# Altium PCB 3-as-manufactured.PcbDoc (part 9 of 16)
Units mil, origin at the board's own origin, x right, y up, seen from the top; angles counter-clockwise.
Board outline 4130.55 x 4250 mil, 8 copper layers (L1_TOP, L2_GND, L3_INT, L4_PWR, L5_PWR, L6_INT, L7_GND, L8_BOT), stack 61 mil thick; 584 components, 489 nets, 2229 pads, 1894 vias.
Unrouted connection lines stored in the file: 4.
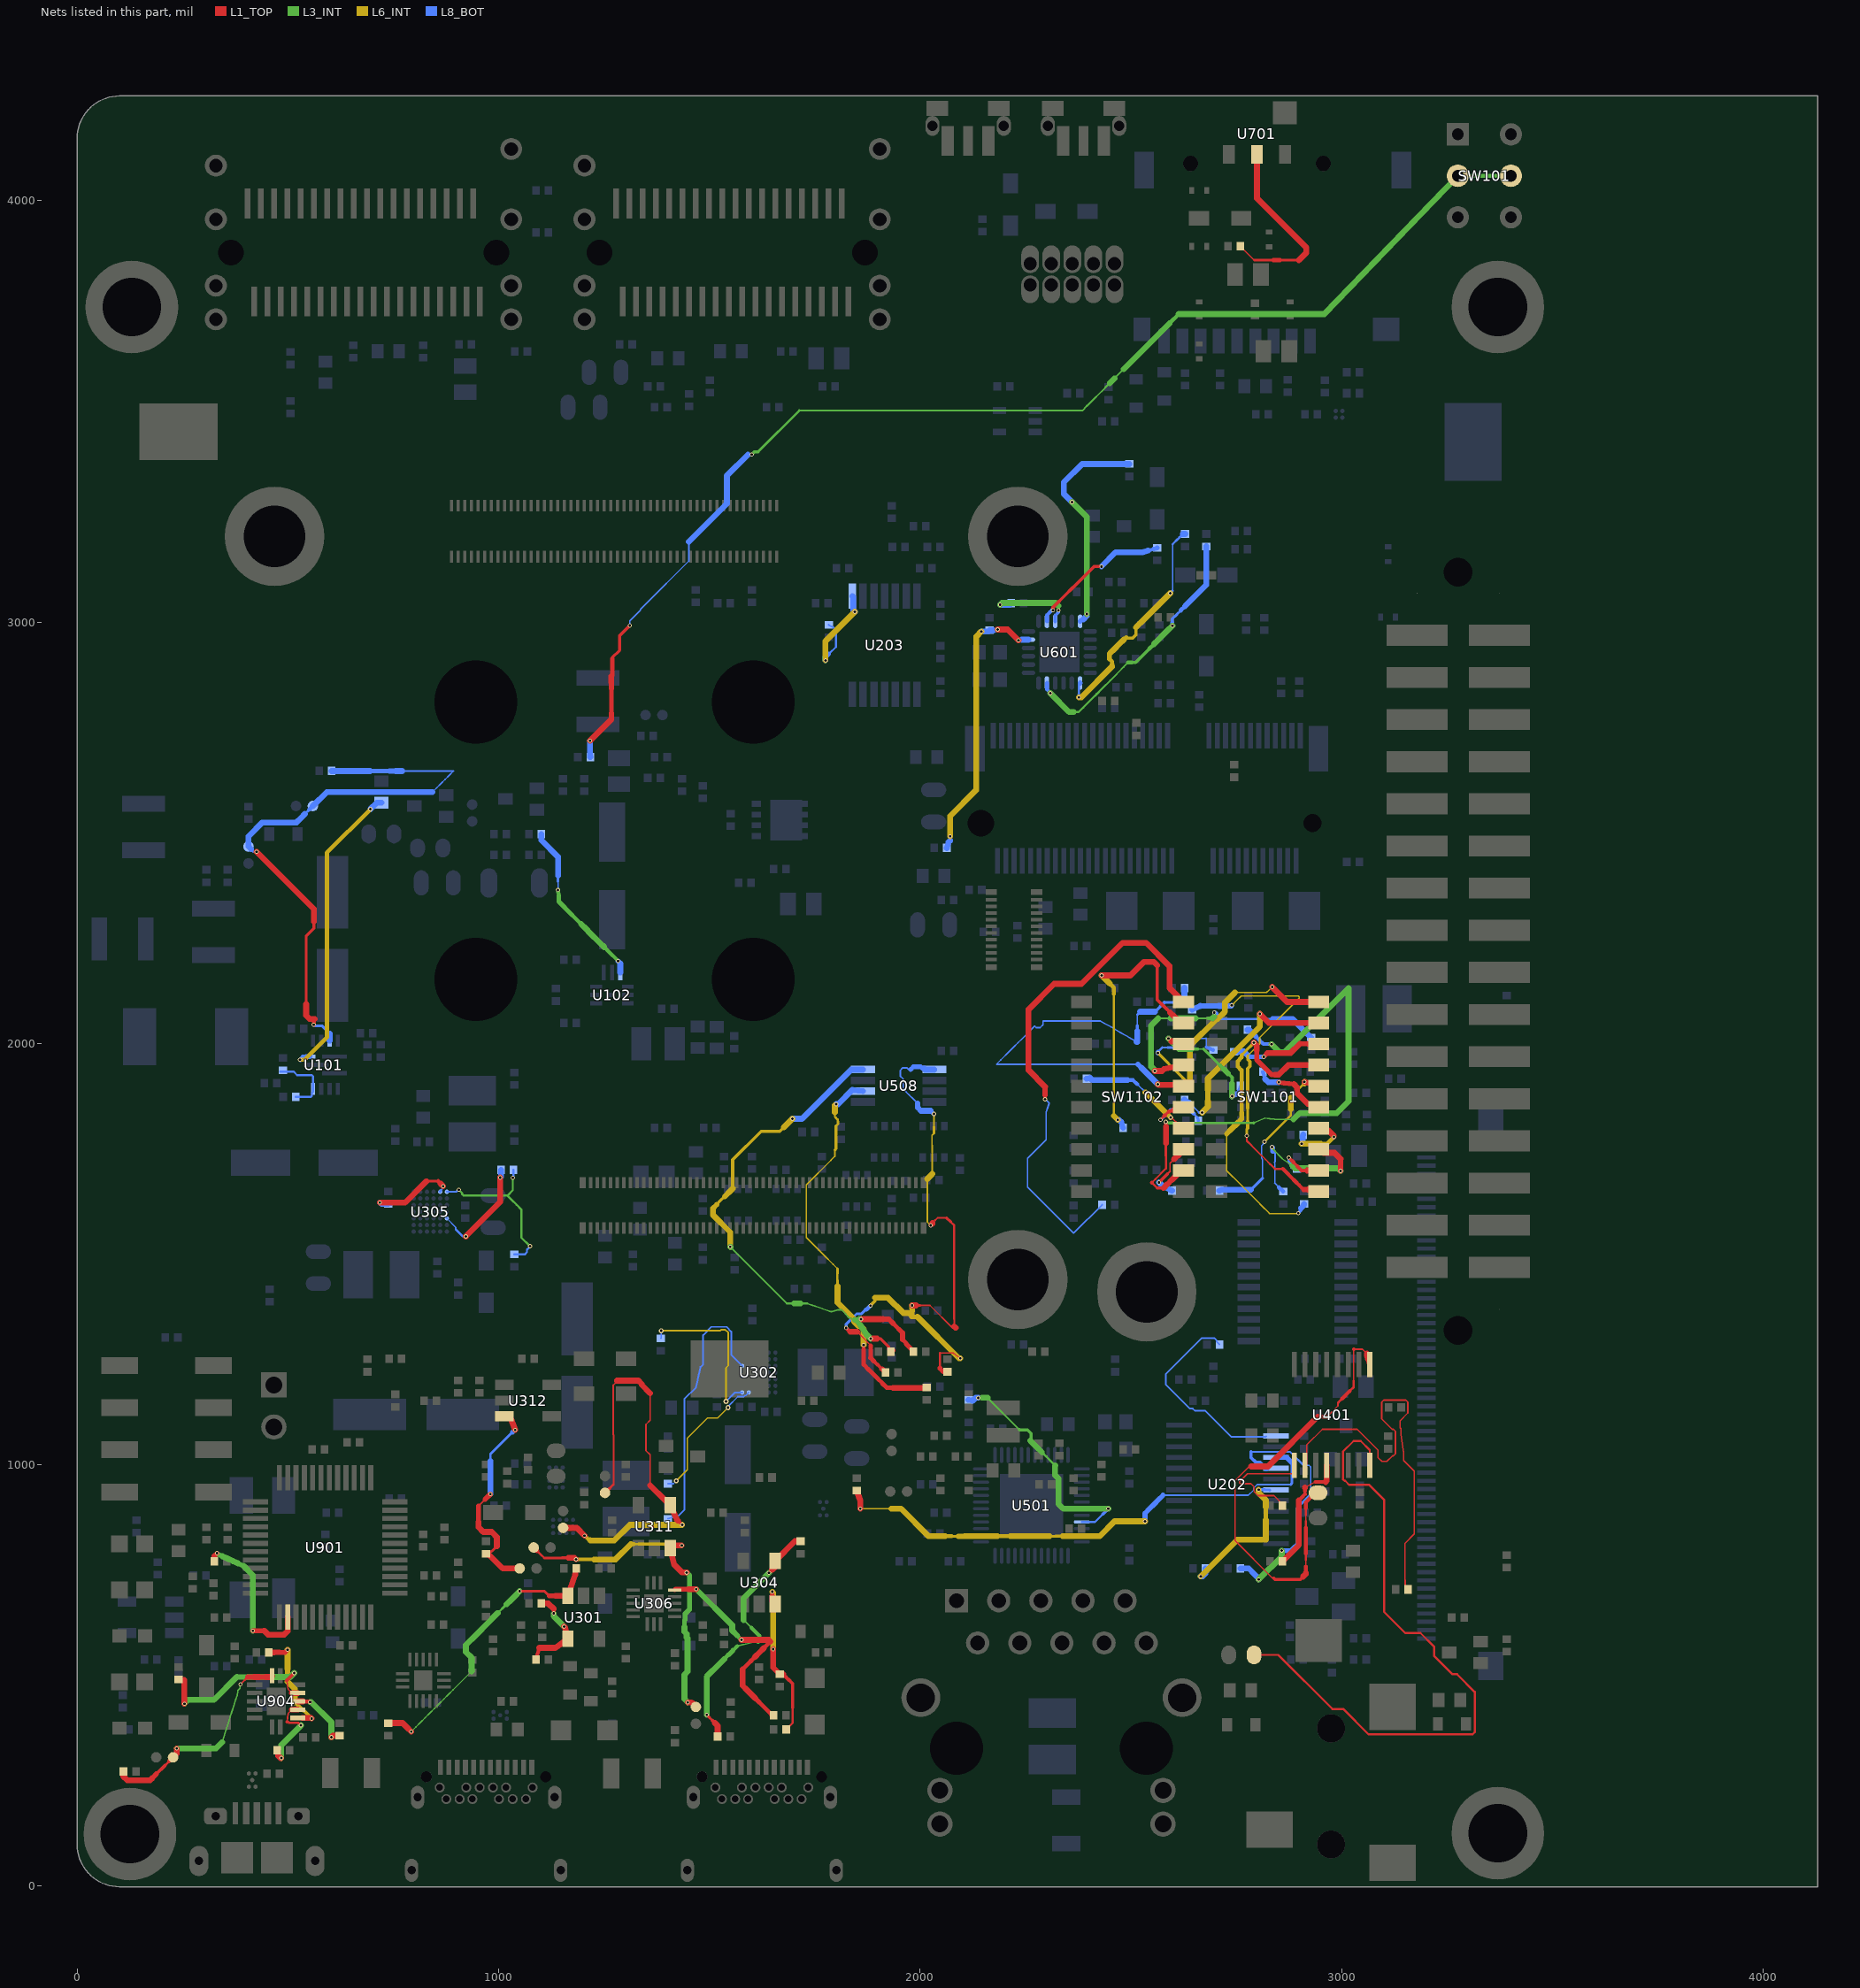
[diagram p15: the nets of this part, all layers, seen from the top]

## Via types
v1: diameter 10, hole 5.9, L1_TOP to L8_BOT, tented both sides, 1703 vias
v2: diameter 12, hole 5.9, L1_TOP to L8_BOT, tented both sides, 110 vias
v3: diameter 10, hole 6, L1_TOP to L8_BOT, tented both sides, 69 vias
v4: diameter 12, hole 6, L1_TOP to L8_BOT, tented both sides, 12 vias

## Nets (pads, with @x,y where several pads share a name; then routed paths per layer and width w, separated by ;. In a path a pad name is that pad's centre, name@x,y a point inside that pad or via, vN(x,y) a via of type N, cw(c..) or ccw(c..) an arc to the next point about the centre after c; other vN are vias at no path point) (continued)
NetR102_1: R102.1 U101.8 | length 728.1
  L6_INT w10: v1(528.29,1961.5) 539.5,1961.5 592,2014 592,2452.95 v1(695.32,2556.28)
  L8_BOT w8.94: v1(528.29,1961.5) v1@529.32,1961.5
  L8_BOT w10.99: v1@529.32,1961.5 535.06,1967.25
  L8_BOT w12.01: 535.06,1967.25 543.15,1968.21 U101.8@551.25,1969.16
  L8_BOT w14.05: v1(695.32,2556.28) 710.4,2571.35 R102.1@721.23,2571.34
NetR105_2: R105.2 R109.1 R136.2 U101.11 | length 1442.4
  L1_TOP w6.9: 543,2093.5 543,2255.55 561.12,2273.68
  L1_TOP w7.92: 561.12,2273.68 561.12,2288.93
  L1_TOP w9.96: v1(560.96,2044.7) 561.12,2044.88 561.12,2056.46 562.96,2058.29
  L1_TOP w14.05: v1(425.43,2455.13) 561.12,2319.44 561.12,2288.93 ; 543,2093.5 543,2066.52 551.23,2058.29 562.96,2058.29
  L8_BOT w3.5: 842.66,2596.8 852.64,2606.78 862.62,2616.76 872.6,2626.74 882.58,2636.72 892.55,2646.7
  L8_BOT w3.83: 770.77,2646.71 892.55,2646.71
  L8_BOT w5.87: R105.2@412.25,2461.33 418.46,2455.13 v1(425.43,2455.13) ; 539.79,2544.75 549.86,2554.82
  L8_BOT w6.9: v1@561.13,2044.87 v1(560.96,2044.7) 563.7,2041.96 580.04,2041.96 598.5,2023.5
  L8_BOT w9.96: 549.86,2554.82 R109.1@558.76,2563.73
  L8_BOT w10.99: 694.65,2646.71 740.32,2646.71
  L8_BOT w12.01: 740.32,2646.71 755.54,2646.71
  L8_BOT w14.05: R105.2@412.25,2461.33 R105.2@406.05,2467.52 406.05,2491.84 438.8,2524.6 519.64,2524.6 529.71,2534.68 539.79,2544.75 ; R109.1@558.76,2563.73 591.85,2596.8 842.66,2596.8 ; U101.11@598.49,2006.56 598.5,2023.5 ; R136.2@603.28,2646.74 694.65,2646.71 ; 755.54,2646.71 770.77,2646.71
NetR107_2: R107.2 R108.1 U101.6 | length 170.1
  L8_BOT w5: R107.2@481,1933.5 512.78,1933.5 521.28,1925 556.19,1925 559.12,1922.07 U101.6@559.12,1892.38 559.12,1885.4 556.62,1882.9 556.62,1875.93 553.69,1873 R108.1@517.76,1873
NetR112_2: R112.2 U102.6 | length 406.6
  L3_INT w8.94: v1(1140.52,2364.52) 1140.73,2364.32 1140.73,2358.21 1142.38,2356.56 1142.38,2351.47 ; 1173.43,2305.52 1195.36,2283.59 ; 1250.2,2228.75 1261.17,2217.78 1283.05,2195.9 v1(1283.05,2195.79)
  L3_INT w10.99: 1142.38,2351.47 1142.38,2346 1142.21,2345.83 1142.21,2336.73 1151.49,2327.46 1162.46,2316.49 1173.43,2305.52
  L3_INT w14.05: 1195.36,2283.59 1206.33,2272.62 1217.3,2261.65 1239.23,2239.71 1250.2,2228.75
  L8_BOT w3.5: v1(1140.52,2364.52) 1140.52,2383.9
  L8_BOT w5.87: 1140.52,2383.9 1140.52,2398.7
  L8_BOT w12.01: v1(1283.05,2195.79) 1288.35,2190.5 1288.35,2190.1
  L8_BOT w14.05: R112.2@1100.94,2497.33 1100.93,2482.71 1140.52,2443.11 1140.52,2398.7 ; U102.6@1288.34,2168.5 1288.35,2190.1
NetR140_1: R140.1 SW101.2 SW101.5 | length 2961.2
  L1_TOP w6.9: 1269.24,2913.52 1269.24,2915.68 1286.63,2933.07 1286.63,2968.13
  L1_TOP w7.92: 1286.63,2968.13 v1(1310.68,2992.18)
  L1_TOP w10.99: 1267.07,2783.89 1267.07,2842.46 ; 1267.07,2871.75 1269.24,2873.91 1269.24,2913.52
  L1_TOP w12.01: 1267.07,2769.24 1267.07,2783.89
  L1_TOP w13.03: 1267.07,2842.46 1267.07,2857.1
  L1_TOP w14.05: v1(1216.23,2718.39) 1267.07,2769.24 ; 1267.07,2857.1 1267.07,2871.75
  L3_INT w3.5: 1713.19,3502.19 2384.57,3502.19
  L3_INT w3.83: 2384.57,3502.19 2395.47,3513.08 ; 2417.26,3534.88 2439.06,3556.67 ; 2460.85,3578.47 2482.65,3600.26
  L3_INT w4.85: 2395.47,3513.08 2417.26,3534.88 ; 2439.06,3556.67 2449.95,3567.57
  L3_INT w5.87: 1615.13,3404.13 1713.19,3502.19
  L3_INT w7.92: v1(1600,3398) 1600.56,3398 1606.69,3404.13 1615.13,3404.13
  L3_INT w8.94: 2602.52,3720.14 2613.42,3731.04
  L3_INT w9.96: 2591.62,3709.24 2602.52,3720.14
  L3_INT w10: SW101.2@3275.77,4059.35 SW101.5@3401.75,4059.35
  L3_INT w14.05: 2449.95,3567.57 2460.85,3578.47 ; 2482.65,3600.26 2591.62,3709.24 ; 2613.42,3731.04 2958.9,3731.04 2959.06,3731.2 SW101.2@3275.77,4059.35
  L8_BOT w3.5: v1(1310.68,2992.18) 1310.68,3003.25 1319.04,3011.61 1327.41,3019.97 1335.77,3028.34 1335.77,3030.11 1346.25,3040.59 1451.1,3145.44 1451.1,3191.07
  L8_BOT w7.92: 1591.38,3397.81 1599.81,3397.81 v1(1600,3398)
  L8_BOT w14.05: v1(1216.23,2718.39) 1216.23,2682.77 R140.1@1217.06,2679.94 ; 1451.1,3191.07 1541.43,3281.4 1541.43,3347.86 1591.38,3397.81
NetR209_2: R209.2 U202.2 | length 486.4
  L8_BOT w4: R209.2@2710.03,1285.41 2703.03,1292.38 2703.03,1296.23 2698.85,1300.41 2667.48,1300.41 2582.49,1215.43 2582.49,1191.37 2640.16,1133.7 2646.79,1133.7 2651.79,1128.7 2675.83,1128.7 2738.26,1066.27 2819.75,1066.27 U202.2@2821.18,1067.7
NetR211_2: R211.2 U202.4 | length 1252.5
  L1_TOP w14.05: R211.2@1849.25,938.62 1858.02,914.9 v1@1858.02,896.04
  L6_INT w3.5: v1(1858.03,896.04) 1931.97,896.04
  L6_INT w5.87: 2074.68,830.64 2090.15,830.64 ; 2306.62,830.64 2322.08,830.64
  L6_INT w6.9: 2322.08,830.64 2337.54,830.64
  L6_INT w8.94: 2059.22,830.64 2074.68,830.64 ; 2198.38,830.64 2213.84,830.64
  L6_INT w9.96: 2182.92,830.64 2198.38,830.64
  L6_INT w13.03: 2090.15,830.64 2105.61,830.64
  L6_INT w14.05: 1931.97,896.04 1954.65,896.04 2020.05,830.64 2059.22,830.64 ; 2105.61,830.64 2182.92,830.64 ; 2213.84,830.64 2306.62,830.64 ; 2337.54,830.64 2425.79,830.64 2461.15,865.99 v1(2533.52,865.99)
  L8_BOT w3.5: 2576.25,927.87 2654.3,927.87 2685.53,927.87 2778.91,927.87 2791.63,940.59 ; 2791.64,944.22 2791.64,944.85 2799.9,953.11 2800.53,953.11
  L8_BOT w3.83: 2791.64,940.6 2791.64,944.22 ; 2800.53,953.11 2868.06,953.11 2878.84,953.11
  L8_BOT w5.87: 2881.88,956.14 2881.88,1005
  L8_BOT w6.9: 2878.84,953.11 2881.88,956.14
  L8_BOT w12.01: v1(2533.52,865.99) 2533.52,885.14 2544.2,895.82 2554.88,906.5 2565.56,917.19 2576.25,927.87 ; U202.4@2844.17,1017.54 2869.33,1017.54 2881.88,1005
NetR212_2: R212.2 U202.5 | length 604.5
  L3_INT w14.05: v1(2803,728) 2804.19,729.19 2804.55,729.19 2857.74,782.38 v1(2857.74,796.41)
  L8_BOT w3.5: 2907.6,1001.1 2910.2,998.49 2922.89,998.49 2926.75,994.63 2926.75,930.39
  L8_BOT w3.83: 2800.5,1030.79 2877.91,1030.79
  L8_BOT w4: 2785.02,1030.79 2800.5,1030.79 ; 2877.91,1030.79 2897.7,1010.99
  L8_BOT w5.87: 2894.4,811.81 2894.4,898.04 2926.75,930.39 ; 2897.7,1010.99 2907.6,1001.1
  L8_BOT w7.92: 2785.02,1030.79 2785.02,1017.42 2796.73,1005.71 2806.4,1005.71 2818.11,994 2818.25,994 U202.5@2820.29,991.95
  L8_BOT w8.94: 2887.96,802.86 2887.96,805.36 2894.4,811.81
  L8_BOT w10.99: v1(2857.74,796.41) 2881.5,796.41
  L8_BOT w14.05: R212.2@2759.8,754.16 2779.56,754.17 2792.05,741.68 2803,730.73 v1(2803,728) ; U202.5@2820.29,991.95 U202.5@2821.18,991.95 ; 2881.51,796.41 2887.96,802.86
NetR213_2: R213.2 U202.7 | length 369.1
  L6_INT w10.99: 2820.14,869.16 2820.14,900.45
  L6_INT w14.05: v1(2665.43,735.35) 2752.28,822.2 2820.14,822.21 2820.14,869.16 ; v1(2803,941) 2803,933.23 2820.14,916.09 2820.14,900.45
  L8_BOT w6.9: v1(2803,941) 2817.6,941 U202.7@2829.17,939.77
  L8_BOT w14.05: v1(2665.43,735.35) 2670.17,735.35 2676.85,742.03 R213.2@2676.85,754.16
NetR214_2: R214.2 U203.8 | length 287.1
  L6_INT w14.05: v1(1775.18,2909.42) 1775.18,2955.07 v1(1844.62,3024.51)
  L8_BOT w3.83: 1793.64,2987.74 1799.92,2981.45
  L8_BOT w4.85: R214.2@1782.9,2993.53 1793.64,2987.74 ; 1783.43,2924.6 1799.92,2941.1 1799.92,2981.45
  L8_BOT w9.96: 1775.18,2916.36 1783.43,2924.6
  L8_BOT w14.05: v1(1775.18,2909.42) 1775.18,2916.36 ; U203.8@1838.81,3062.02 1840.78,3060.03 1840.78,3028.35 v1(1844.62,3024.51)
NetR304_2: R304.2 R314.1 U301.4 | length 221
  L1_TOP w7.92: v1(1130.48,647.38) 1130.48,658.21
  L1_TOP w8.94: R314.1@1088.01,538.34 1092.11,552 1096.2,565.66
  L1_TOP w14.05: 1096.21,565.66 1134.1,565.66 1163.79,587.14 1157.79,613.23 v1(1154.65,616.37) ; R304.2@1100.94,671.15 1117.54,671.14 1130.48,658.21
  L3_INT w14.05: v1(1130.48,647.38) 1130.48,640.54 v1(1154.65,616.37)
NetR306_2: R306.2 R313.1 U301.3 | length 699.1
  L1_TOP w6.9: v1(1049.49,700.16) 1108.51,700.16 1119.54,689.13
  L1_TOP w10.99: 1119.54,689.13 1134.29,689.13
  L1_TOP w14.05: R306.2@737.82,387.09 771.74,387.09 781.94,376.88 v1(792.14,366.68) ; 1134.29,689.13 U301.3@1163.8,689.13 1181.21,739.47 1181.91,740.16 1181.91,751.19 R313.1@1182.77,751.19
  L3_INT w3.5: v1(792.14,366.68) 803.17,377.71 814.2,388.73 825.22,399.76 836.25,410.79 847.28,421.81 858.3,432.84 869.33,443.86 880.36,454.89 891.38,465.92 935.49,510.02
  L3_INT w4.85: 997.67,648.34 1008.04,658.71
  L3_INT w5.87: 1008.04,658.71 1018.4,669.07
  L3_INT w14.05: 935.49,510.02 935.49,542.37 921.97,555.89 921.97,572.65 945.85,596.52 956.22,606.89 966.58,617.25 976.94,627.62 987.31,637.98 997.67,648.34 ; 1018.4,669.07 1028.76,679.44 1039.13,689.8 v1(1049.49,700.16)
NetR318_2: R318.2 R322.1 U304.4 | length 623.8
  L1_TOP w5.87: 1499.88,400.15 1506.36,393.68
  L1_TOP w6.9: v1(1493.4,406.63) 1499.88,400.15
  L1_TOP w7.92: 1506.36,393.68 1512.83,387.2 ; v1(1641.22,743.66) 1648.37,750.81
  L1_TOP w14.05: 1512.83,387.2 1519.31,380.72 R318.2@1519.31,355.72 ; 1648.37,750.81 1655.51,757.95 U304.4@1655.51,771.77 1702.46,818.72 R322.1@1716.55,818.73
  L3_INT w3.5: 1566.12,570.03 1578.43,573.04 1590.73,576.06 1603.03,579.08 1615.33,582.09
  L3_INT w3.83: 1580.68,632.09 1590.08,622.7 1599.47,613.3
  L3_INT w8.94: 1555.74,559.64 1566.12,570.03 ; 1599.47,613.3 1618.25,594.52 ; 1618.26,585.01 1618.26,594.52
  L3_INT w9.96: 1534.96,538.86 1545.35,549.25
  L3_INT w12.01: 1545.35,549.25 1555.74,559.64
  L3_INT w14.05: v1(1493.4,406.63) 1493.4,497.3 1503.79,507.69 1514.18,518.08 1524.57,528.47 1534.96,538.86 ; 1580.68,632.09 1580.68,683.13 v1(1641.22,743.66) ; 1615.34,582.09 1618.26,585.01
NetR319_2: R319.2 R321.1 U304.3 | length 389.8
  L1_TOP w4.85: R319.2@1681.97,371.91 1697.41,387.36 1697.41,423.99
  L1_TOP w7.92: R321.1@1674.6,503.29 1682.2,495.68 ; 1689.81,488.08 1697.41,480.47 1697.41,423.99
  L1_TOP w8.94: U304.3@1648.76,687.65 v1(1648.76,698.77) ; 1682.2,495.68 1689.81,488.08
  L1_TOP w14.05: U304.3@1648.76,687.65 1648.76,676.54 U304.3@1655.51,669.77 ; v1(1651.01,562.48) 1651.01,519.05 R321.1@1666.78,503.3 R321.1@1674.6,503.29
  L6_INT w14.05: v1(1648.76,698.77) 1651.01,696.53 v1(1651.01,562.48)
NetR327_1: R327.1 U306.5 | length 521.1
  L1_TOP w8.94: 1578.59,514.94 1598.49,534.84
  L1_TOP w9.96: U306.5@1417.4,702.65 U306.5@1419.6,704.87 ; 1618.91,435.75 1628.99,425.67 1639.07,415.59 R327.1@1649.15,405.51 ; 1628.33,564.68 1638.28,574.63 1644.23,580.58
  L1_TOP w10.99: 1598.49,534.84 1608.44,544.79 ; 1608.83,445.83 1618.91,435.75
  L1_TOP w12.01: U306.5@1419.6,704.87 1451.12,704.87
  L1_TOP w14.05: 1451.12,704.87 v1(1468.41,704.87) ; v1(1575.87,584.6) 1640.22,584.6 1644.23,580.59 ; 1578.59,514.94 1578.59,476.07 1588.67,465.99 1608.83,445.83 ; 1608.44,544.79 1618.38,554.74 1628.33,564.68 ; R327.1@1649.15,405.51 R327.1@1652.02,405.53
  L3_INT w9.96: 1564.82,595.66 v1(1575.87,584.6)
  L3_INT w14.05: v1(1468.41,704.87) 1553.76,619.51 1553.76,606.71 1564.82,595.66
NetR328_2: R328.2 U302.A2 | length 327
  L6_INT w3.5: v2(1421,962) 1447.31,988.31 1447.31,1063.31 1495.19,1111.19 1519.19,1111.19 v2(1544,1136)
  L8_BOT w3.5: R328.2@1401.36,955.22 1414.22,955.22 v2(1421,962) ; v2(1544,1136) 1544,1138.36 1567.65,1162.01 1581.68,1162.01 1584.43,1164.77 1586.4,1164.77 U302.A2@1593.39,1171.76
NetR329_2: R329.2 U302.E1 | length 647.4
  L8_BOT w4: R329.2@1401.36,872.21 1414.35,876.12 1427.33,880.01 1440.32,892.99 1440.32,1156.36 1467.99,1184.04 1470.71,1196.31 1473.42,1208.58 1476.13,1220.86 1478.37,1230.99 1478.62,1232.13 1479.44,1232.95 1484.7,1238.21 1484.7,1307.83 1504.37,1327.5 1540.37,1327.5 1551.5,1316.37 1551.5,1260.9 U302.E1@1577.64,1234.75
NetR330_2: R330.2 U305.A2 | length 213.4
  L1_TOP w5.87: 828.41,1673.19 856,1673.19
  L1_TOP w9.96: 856,1673.19 861.86,1667.33
  L1_TOP w14.05: v1(717.77,1622.57) 777.8,1622.57 828.41,1673.19 ; 861.86,1667.33 v1(867.72,1661.46)
  L8_BOT w4.85: U305.A2@860.97,1650.21 v1@867.72,1656.96
  L8_BOT w5.87: U305.A2@860.97,1648.08 U305.A2@860.97,1650.21 ; v1@867.72,1656.96 v1(867.72,1661.46)
  L8_BOT w13.03: v1(717.77,1622.57) v1@718.37,1622.57
  L8_BOT w14.05: v1@718.37,1622.57 721.67,1619.27 R330.2@737.82,1619.28
NetR331_1: R331.1 R354.2 U305.A1 | length 412.1
  L3_INT w5: v1(905,1653) 905,1652.79 913.03,1644.76 913.03,1642.8 916.79,1639.04 1020.42,1639.04 ; v1(1033.1,1681.07) 1033.1,1651.72 1020.42,1639.04 ; v1(1074,1519) 1053.33,1539.67 1053.33,1606.13 1042.36,1617.1 1031.39,1628.07 1020.42,1639.04
  L8_BOT w5: U305.A1@876.72,1648.08 898.73,1648.08 903.65,1653 v1(905,1653) ; v1(1033.1,1681.07) 1034.59,1682.56 R331.1@1034.59,1700.43 ; R354.2@1036.41,1499.39 1061.37,1499.39 1066.8,1504.82 1066.8,1510.44 1074,1517.65 v1(1074,1519)
NetR331_2: R331.2 U305.E1 | length 258.5
  L1_TOP w14.05: v1(921.79,1542.22) 921.79,1542.57 1003.3,1624.08 v1(1003.3,1681.59)
  L8_BOT w3.5: U305.E1@876.72,1585.09 897.81,1564.02 897.81,1558.87
  L8_BOT w4.85: 897.81,1558.87 906.13,1550.55 914.46,1542.22
  L8_BOT w5: 914.46,1542.22 v1(921.79,1542.22)
  L8_BOT w14.05: v1(1003.3,1681.59) 1005.06,1683.36 R331.2@1005.06,1700.43
NetR353_2: R353.2 U302.A1 | length 394.7
  L6_INT w4: v2(1385.44,1318.21) 1504.99,1318.21 1505.47,1318.7 1514.53,1318.7 1515.01,1318.21 1525.24,1318.21 1527.53,1320.5 1535.5,1320.5 1536,1321 1536.96,1321 1544.5,1313.47 1544.5,1235.81 1539.5,1230.81 1539.5,1151 v2(1539,1150.5)
  L8_BOT w4: R353.2@1384.77,1300.17 1385.44,1300.84 v2(1385.44,1318.21) ; v2(1539,1150.5) 1560.26,1171.76 U302.A1@1577.64,1171.76
NetR355_2: R355.2 R361.2 U312.3 | length 512.5
  L1_TOP w3.5: 951.97,902.54 967.31,917.87
  L1_TOP w5.87: R355.2@977.31,792.45 984.55,795.7
  L1_TOP w6.9: 984.55,795.7 995.48,806.63
  L1_TOP w8.94: R355.2@970.06,789.21 R355.2@977.31,792.45
  L1_TOP w12.01: 951.97,864.52 951.97,902.54 ; 967.31,917.87 v1(979.97,930.54)
  L1_TOP w14.05: 951.97,864.52 951.97,851.84 963.17,840.65 983.34,840.65 995.48,828.5 995.48,806.64 ; R355.2@970.06,789.21 977.9,785.67 1009.42,754.16 R361.2@1049.59,754.16 ; U312.3@1013.49,1115.2 1028.47,1110.23 v1(1039,1083)
  L8_BOT w5.87: 979.97,1009.33 979.97,1025.09 990.47,1035.59 1011.46,1056.57 1021.95,1067.07 1032.45,1077.56
  L8_BOT w10.99: 1032.45,1077.56 1037.88,1083 v1(1039,1083)
  L8_BOT w14.05: v1(979.97,930.54) 979.97,1009.33
NetR356_2: R356.2 R357.1 U311.3 | length 836.6
  L1_TOP w4.85: 1099.29,787.44 1107.55,779.18
  L1_TOP w5.87: R357.1@1091.03,795.7 1099.29,787.44 ; 1107.55,779.18 1150.93,779.18
  L1_TOP w7.92: 1150.93,779.18 1165.4,779.18
  L1_TOP w10.99: R357.1@1082.77,803.97 R357.1@1091.03,795.7
  L1_TOP w13.03: 1179.86,779.18 v1(1183.53,775.51)
  L1_TOP w14.05: 1165.4,779.18 1179.86,779.18 ; 1415.64,763.81 1434.95,744.5 v1(1445.79,744.5) ; 1415.64,763.82 U311.3@1406.69,802.55 1413.16,809 v1(1434,809) ; v1(1448.51,436.23) 1457.04,436.23 R356.2@1467.72,425.53
  L3_INT w10.99: 1440.37,614.99 1440.37,630.5 1442,632.14 1442,646.01
  L3_INT w12.01: 1442,646.01 1452.38,656.39 1452.38,737.92 v1(1445.79,744.5)
  L3_INT w14.05: 1440.37,614.99 1440.37,604.2 1445.97,598.59 1445.97,590.36 1448.03,588.31 1448.03,509.46 1440.37,501.8 1440.37,444.37 v1(1448.51,436.23)
  L6_INT w5.87: 1321.63,811.96 1332.3,811.96
  L6_INT w7.92: 1197.59,775.51 1211.65,775.51 ; 1332.3,811.96 1393.4,811.96 1396.36,809 v1(1434,809)
  L6_INT w8.94: v1(1183.53,775.51) 1197.59,775.51 ; 1211.65,775.51 1225.71,775.51
  L6_INT w9.96: 1313.32,811.96 1321.63,811.96
  L6_INT w14.05: 1225.71,775.51 1276.87,775.51 1313.32,811.96
NetR358_2: R358.2 R359.1 U311.4 | length 1030.1
  L1_TOP w3.5: 1359,951.59 1359,1024.04 1349.22,1033.82 1349.22,1095.97 1359,1105.75 1359,1169.95
  L1_TOP w3.83: 1271.54,952.84 1272.3,953.61 1272.3,1070.98 1271.54,1071.74 1271.54,1189.12 1280.56,1198.14 1280.56,1199.73
  L1_TOP w5.87: 1261.82,943.12 1271.54,952.84
  L1_TOP w7.92: R359.1@1252.1,933.4 1261.82,943.12
  L1_TOP w8.94: 1425.4,867.38 v1(1435.01,857.77)
  L1_TOP w14.05: R358.2@1152.53,850.37 1185.06,850.37 v1(1203.55,831.88) ; 1280.56,1199.73 1331.46,1199.73 1339.09,1192.1 1339.09,1189.86 1359,1169.95 ; 1359,951.59 1393.19,917.4 U311.4@1406.69,904.55 1422.81,869.97 1425.4,867.38
  L6_INT w8.94: v1(1203.55,831.88) 1203.83,831.88 1214.58,821.13 1216.56,821.13
  L6_INT w14.05: 1216.56,821.13 1217.28,820.4 1273.67,820.4 1311.04,857.77 v1(1435.01,857.77)
NetR401_2: R401.2 U401.10 | length 1003.7
  L1_TOP w3.5: U401.10@2913.26,998.52 2917.51,1002.75 2917.51,1047.53 2954.48,1084.49 3036.78,1084.49 3086.34,1034.93 3086.34,1017.28 3095.37,1008.25 3107.45,1008.25 3120.68,1021.48 3123.19,1021.48 3127.73,1026.02 3127.73,1079.96 3123.19,1084.5 3119.75,1084.5 3095.06,1109.19 3095.06,1149.21 3099.6,1153.75 3152.24,1153.75 3157.16,1148.83 3157.16,1123.17 3138.47,1104.48 3138.47,1088.11 3140.74,1085.84 3140.74,1072.59 3140.77,1072.09 3142.82,1057.88 3144.99,1042.76 3147,1028.74 3147,1010.64 3172.56,985.08 3172.56,835.99 3150.23,813.66 3150.23,727.67 3150.67,727.23 3150.67,712.61 3155.09,708.19 R401.2@3156.79,708.19
NetR402_2: R402.2 U401.9 | length 275.7
  L1_TOP w3.5: R402.2@2859.33,903.58 2852.08,910.84 2852.08,914.29 2839.38,926.99 2801.81,926.99 2792.25,936.55 2792.25,947.78 2784.83,955.2 2759.85,955.2 2757.8,957.25 2757.8,960.25 2776.5,978.96 2884.72,978.96 U401.9@2888.7,982.93
NetR403_1: R403.1 U401.16 | length 1575.3
  L1_TOP w5: R403.1@2792,549 2849.77,549 2978.21,420.56 3003.63,420.56 3063.68,360.5 3310.98,360.5 3315.96,365.48 3315.96,461.04 3274.01,502.99 3263.42,502.99 3219.38,547.03 3219.38,568.62 3187,601 3151,601 3100.55,651.45 3100.55,917.22 3090,927.77 3090,927.87 3065.44,952.44 3017.97,952.44 3008.49,961.91 3006.93,961.91 3003.06,965.78 3003.06,1031.26 3028.47,1056.66 3045.16,1056.66 3066.87,1034.95 U401.16@3066.86,998.52
NetR404_1: R404.1 U401.1 | length 1091.1
  L1_TOP w3.5: 2785.4,996.28 2780.57,996.28 2746.94,962.64 2746.94,820.23 2835.95,731.22 2839.07,731.22 ; 2964.77,1114.41 2965.49,1114.41 2991.16,1140.08 2991.16,1147.06 2992.17,1148.08 ; 3029.25,1274.33 3049.7,1274.33 3059.78,1264.25
  L1_TOP w3.83: 2915.16,758.76 2915.16,774.1 ; 2915.16,866.16 2915.16,881.5 ; 3028.59,1199.35 3028.59,1273.67
  L1_TOP w4.85: 2915.16,774.1 2915.16,789.45 ; 3028.59,1184.49 3028.59,1199.35
  L1_TOP w5.87: 2915.16,850.82 2915.16,866.16 ; 2915.16,881.5 2915.16,896.84 ; 2992.17,1148.08 3001.28,1157.18 ; 3019.49,1175.39 3028.59,1184.49
  L1_TOP w7.92: 2839.07,731.22 2842.22,728.07 2901.95,728.07 2908.56,734.67 ; 3028.59,1273.67 3029.25,1274.33
  L1_TOP w8.94: 2915.16,743.42 2915.16,758.76 ; 2915.16,804.79 2915.16,850.82 ; 2915.16,896.84 2915.16,910.96 2929.93,925.72 2929.87,925.78 R404.1@2929.87,926.89 ; 3001.28,1157.18 3019.49,1175.39
  L1_TOP w9.96: 2915.16,789.45 2915.16,804.79 ; 2943.26,1114.41 2964.77,1114.41
  L1_TOP w13.03: U401.1@3063.32,1249.56 U401.1@3066.86,1238.52
  L1_TOP w14.05: 2785.4,996.28 2825.13,996.28 2943.26,1114.41 ; 2908.56,734.67 2915.16,741.28 2915.16,743.42 ; R404.1@2929.87,926.89 R404.1@2944.1,933.58 ; 3059.78,1260.61 U401.1@3063.32,1249.56 ; 3059.78,1260.62 3059.78,1264.25
NetR406_1: R406.1 U401.12 | length 290
  L1_TOP w3.5: 2912.79,945.93 2925.33,952.75 2937.87,959.57
  L1_TOP w7.92: 2912.79,929.93 2912.79,937.93 ; 2937.87,959.57 2962.09,959.57
  L1_TOP w8.94: 2898.3,915.44 2905.58,922.72 2912.79,929.93 ; 2912.79,937.93 2912.79,945.92
  L1_TOP w14.05: R406.1@2859.33,770.76 2898.3,809.72 2898.3,915.44 ; 2962.09,959.57 2964.47,961.95 U401.12@2964.46,998.52
NetR515_1: R515.1 U501.9 | length 581.3
  L3_INT w4.85: 2159.51,1159.19 2234.66,1084.04 ; 2299.06,1019.64 2309.8,1008.9
  L3_INT w5.87: 2288.33,1030.37 2299.06,1019.64 ; 2309.8,1008.9 2320.53,998.17
  L3_INT w7.92: 2234.66,1084.04 2235.89,1082.81 2254.64,1082.81 2262.96,1074.49 2262.96,1058.88 2261.39,1057.31
  L3_INT w8.94: v1(2137.86,1159.19) 2146.6,1159.19
  L3_INT w14.05: 2146.6,1159.19 2159.51,1159.19 ; 2261.39,1057.31 2266.86,1051.84 2277.59,1041.11 2288.33,1030.37 ; 2320.53,998.17 2319.63,997.27 2319.63,981.2 2319.65,975.88 2327.94,967.6 2327.94,907.41 2339.5,895.85 v1(2446.37,895.85)